# Altium PCB spd150.PcbDoc (part 14 of 15)
Units mil, origin at the board's own origin, x right, y up, seen from the top; angles counter-clockwise.
Board outline 8557 x 5807 mil, 10 copper layers (TOP, LYR2-PLN, LYR3-SIG, LYR4-SIG, LYR5-PLN, LYR6-PLN, LYR7-SIG, LYR8-SIG, LYR9-PLN, BOTTOM), stack 84 mil thick; 1065 components, 972 nets, 4226 pads, 2810 vias.
Unrouted connection lines stored in the file: 16.
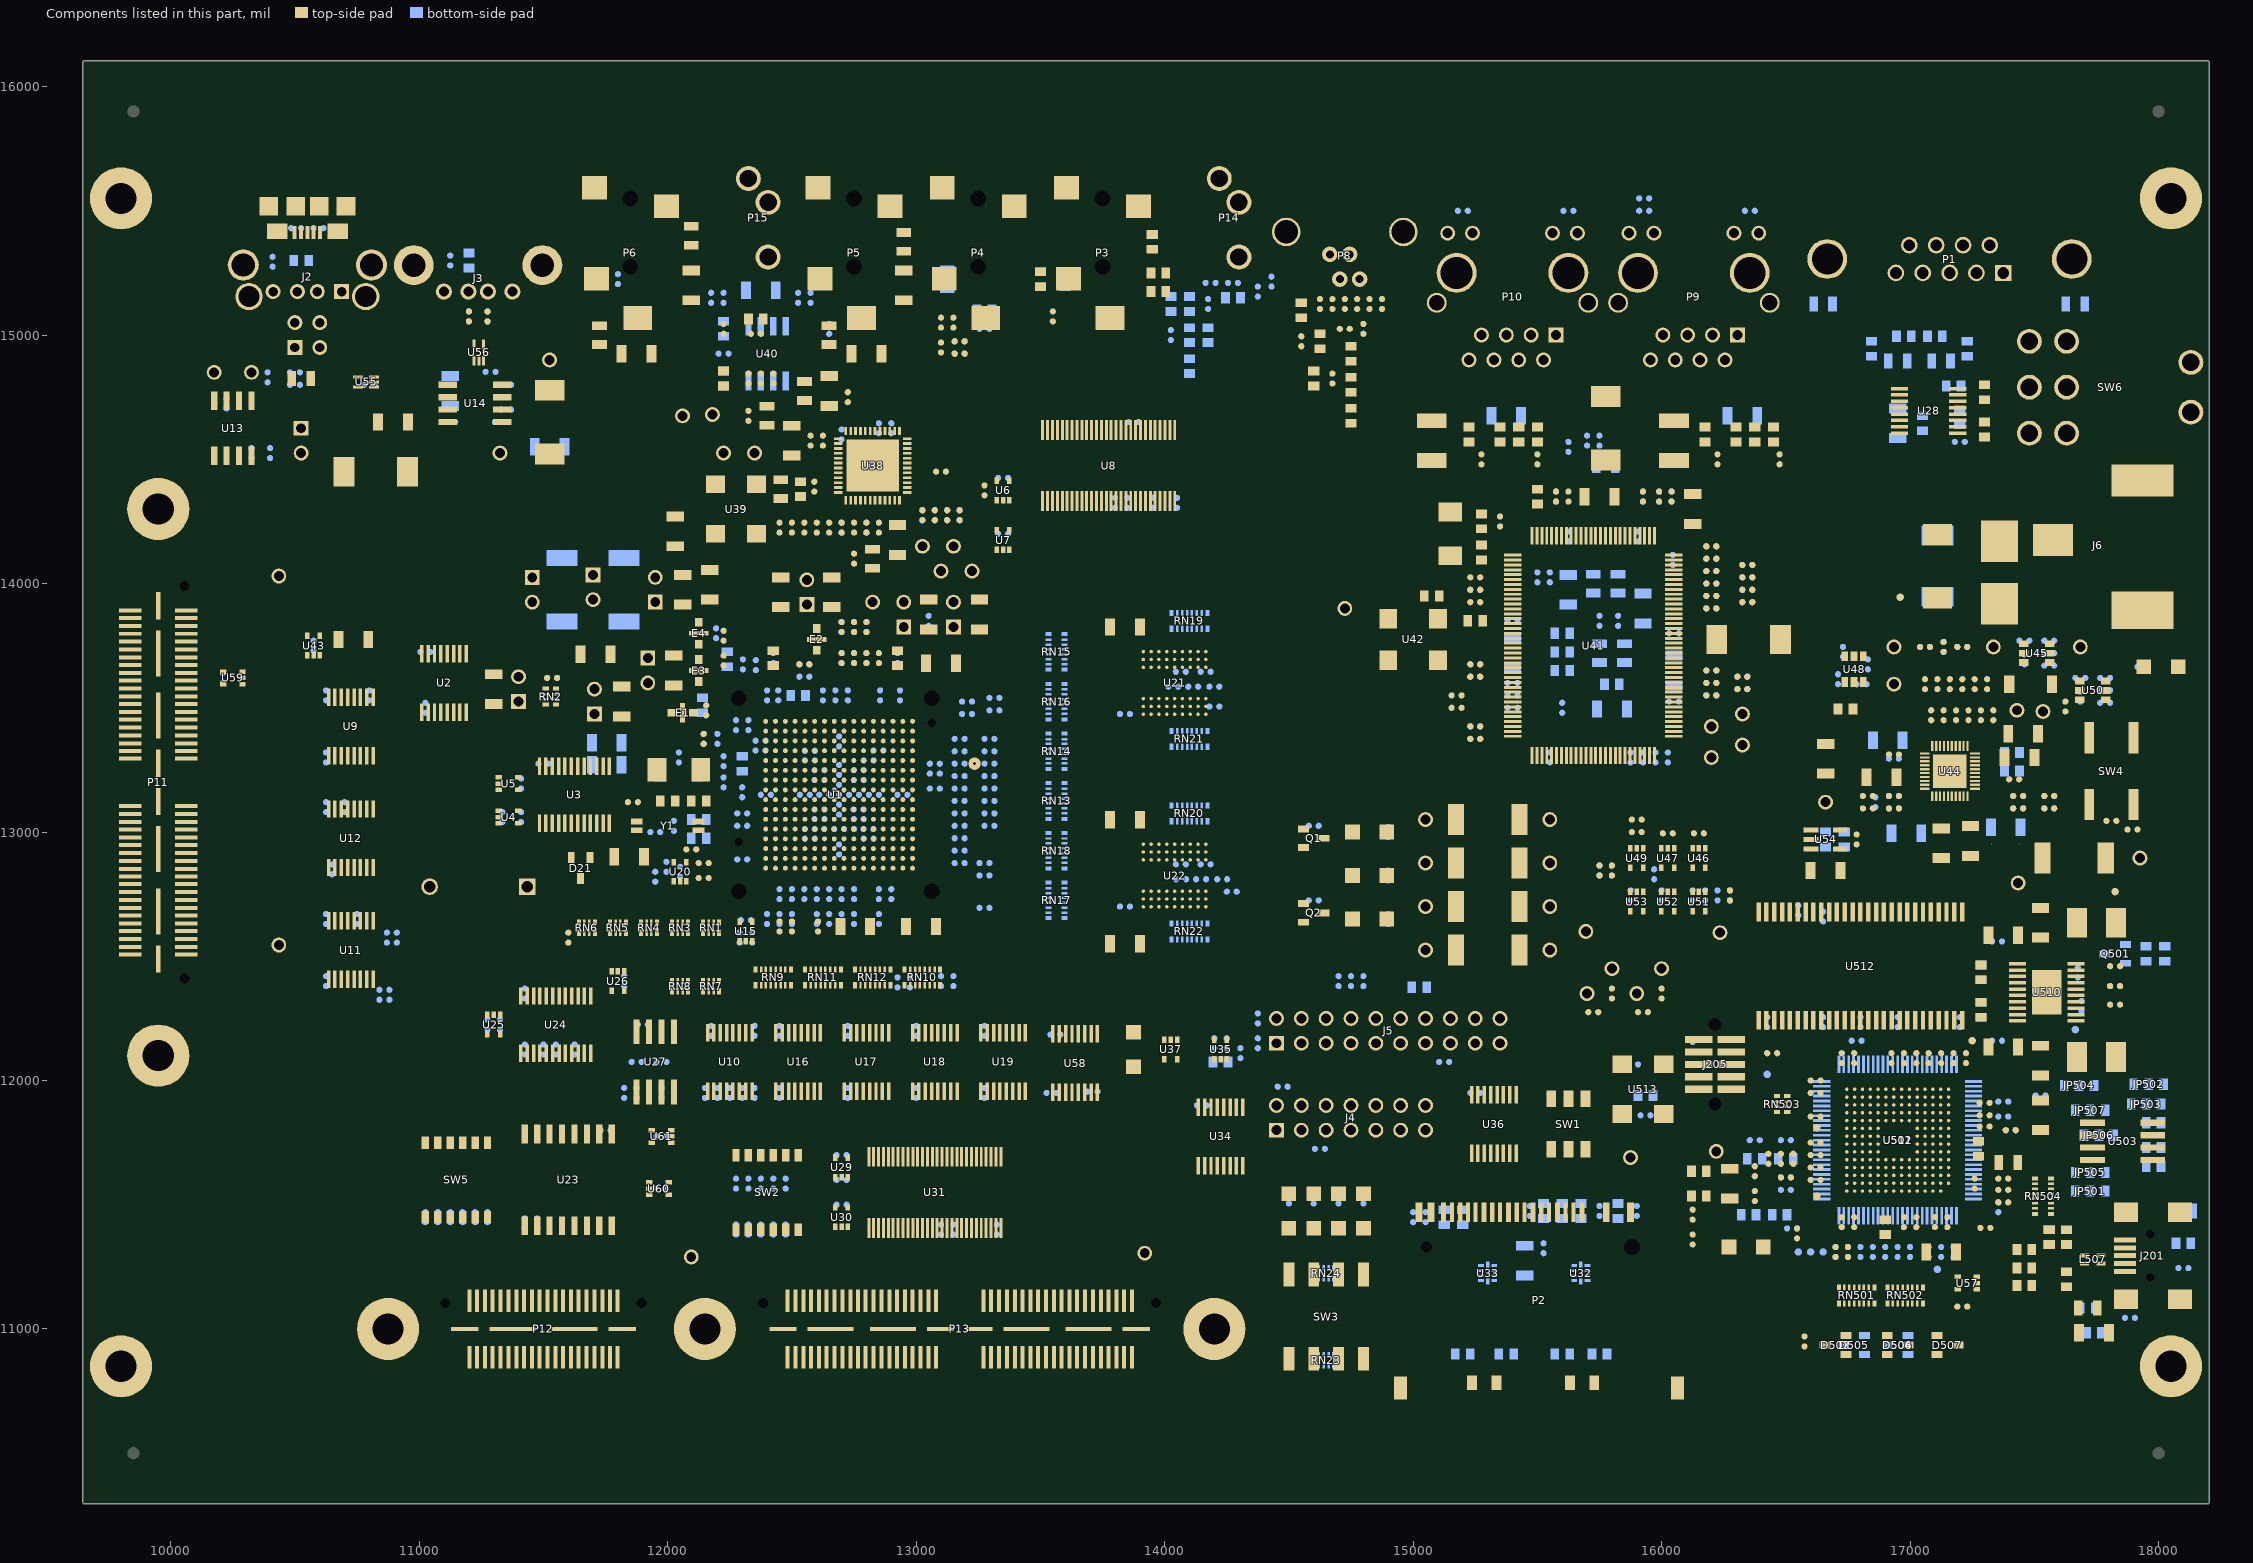
[diagram p22: the components of this part, seen from the top]

## Silkscreen, mask and mechanical layers (free items; w line width, h text height) (continued)
ASSY:
  drawing of 23313 lines, arcs and shapes, not listed
  text "P5" at 8362.5,17340.9 h50 r90
  text "P6" at 7012.5,17325.9 h50 r90
  text "P8" at 11497.5,17310.9 h50 r90
  text "P4" at 9112.5,17295.9 h50 r90
  text "P3" at 9862.5,17295.9 h50 r90
  text "MAC ADDRESS" at 19105,17265.9 h75
  text "J3" at 6315,17235.9 h75 r90
  text "P15" at 7215,17228.4 h50 r90
  text "P14" at 10620,17228.4 h50 r90
  text "R233" at 22097.5,17205.9 h50
  text "R240" at 22510,17198.4 h50
  text "USB1" at 5400,17175.9 h50 r90
  text "USB0" at 4372.5,17153.4 h50 r90
  text "IN" at 9292.5,17145.9 h50 r90
  text "R193" at 27985,17130.9 h50 r90
  text "00-0E-99-" at 19300,17123.4 h75
  text "R235" at 21475,17123.4 h50
  text "R234" at 22097.5,17123.4 h50
  text "L14" at 7140,17115.9 h50 r90
  text "R239" at 22832.5,17115.9 h50
  text "R59" at 29920,17085.9 h50
  text "R58" at 30115,17085.9 h50
  text "OUT" at 6435,17070.9 h50 r90
  text "IN" at 8557.5,17063.4 h50 r90
  text "UART" at 15735,17063.4 h75 r90
  text "R186" at 26635,17025.9 h50 r90
  text "C270" at 30355,16965.9 h50 r90
  text "R392" at 29162.5,16958.4 h50 r90
  text "C271" at 29275,16958.4 h50 r90
  text "L12" at 8347.5,16875.9 h50 r90
  text "LINE" at 9292.5,16875.9 h50 r90
  text "MIC" at 8550,16853.4 h50 r90
  text "HP OUT" at 7807.5,16845.9 h50 r90
  text "R182" at 9847.5,16838.4 h50 r90
  text "R183" at 10035,16815.9 h50 r90
  text "LINE" at 6435,16808.4 h50 r90
  text "ENET-P1" at 13740,16808.4 h75 r90
  text "ENET-P2" at 12645,16800.9 h75 r90
  text "J2" at 4125,16785.9 h75
  text "R211" at 24715,16763.4 h50 r90
  text "R217" at 24377.5,16748.4 h50
  text "C183" at 27290,16733.4 h50
  text "R391" at 29972.5,16733.4 h50
  text "C188" at 27085,16703.4 h50 r90
  text "R221" at 27160,16703.4 h50 r90
  text "C174" at 6970,16695.9 h50 r90
  text "C169" at 8425,16695.9 h50 r90
  text "R181" at 9172.5,16658.4 h50 r90
  text "R180" at 25472.5,16650.9 h50 r90
  text "L10" at 26365,16650.9 h50 r90
  text "L2" at 20905,16643.4 h50
  text "C161" at 25787.5,16643.4 h50 r90
  text "R214" at 25007.5,16613.4 h50 r90
  text "C181" at 25082.5,16613.4 h50 r90
  text "C180" at 25157.5,16613.4 h50 r90
  text "C171" at 25960,16598.4 h50 r90
  text "C187" at 27827.5,16583.4 h50 r90
  text "R192" at 28322.5,16583.4 h50 r90
  text "R220" at 27752.5,16575.9 h50 r90
  text "R390" at 24227.5,16560.9 h50 r90
  text "+" at 7185,16523.4 h50 r90
  text "+" at 8362.5,16523.4 h50 r90
  text "C167" at 9847.5,16500.9 h50
  text "SW6" at 15795,16493.4 h50
  text "P1" at 14512.5,16470.9 h50
  text "R212" at 7605,16463.4 h50
  text "L5" at 19375,16448.4 h50
  text "R223" at 5917.5,16440.9 h50
  text "R375" at 5497.5,16433.4 h50
  text "C130" at 20492.5,16433.4 h50 r90
  text "C170" at 8587.5,16425.9 h50 r90
  text "C132" at 20297.5,16425.9 h50 r90
  text "R187" at 26072.5,16425.9 h50
  text "C197" at 11385,16410.9 h50 r90
  text "R231" at 11460,16410.9 h50 r90
  text "C179" at 27647.5,16410.9 h50
  text "R216" at 24325,16403.4 h50 r90
  text "+" at 6945,16373.4 h50 r180
  text "C184" at 7575,16373.4 h50
  text "C168" at 8095,16350.9 h50
  text "R120" at 28900,16343.4 h50 r90
  text "R393" at 29282.5,16343.4 h50 r90
  text "TP4" at 6180,16335.9 h50
  text "C158" at 9397.5,16335.9 h50 r90
  text "C192" at 10447.5,16335.9 h50 r90
  text "R225" at 10522.5,16335.9 h50 r90
  text "C196" at 10597.5,16335.9 h50 r90
  text "R230" at 10672.5,16335.9 h50 r90
  text "R228" at 10747.5,16335.9 h50 r90
  text "C172" at 26230,16335.9 h50
  text "R185" at 26912.5,16335.9 h50 r90
  text "C182" at 24422.5,16320.9 h50 r90
  text "L13" at 6495,16305.9 h50 r90
  text "L11" at 7882.5,16305.9 h50 r90
  text "R215" at 7273.5,16286.4 h50 r90
  text "R184" at 8850,16283.4 h50
  text "R218" at 27670,16283.4 h50
  text "R190" at 26237.5,16260.9 h50
  text "C131" at 20027.5,16253.4 h50 r90
  text "R213" at 24985,16253.4 h50 r90
  text "P10" at 11580,16238.4 h50 r90
  text "C178" at 24520,16238.4 h50 r90
  text "C177" at 24602.5,16238.4 h50 r90
  text "U40" at 27115,16238.4 h50 r90
  text "U56" at 6000,16230.9 h50 r90
  text "+" at 8332.5,16230.9 h50 r180
  text "R232" at 11280,16230.9 h50 r90
  text "R53" at 30362.5,16230.9 h50 r90
  text "P9" at 13717.5,16223.4 h50 r90
  text "C263" at 28847.5,16208.4 h50
  text "U55" at 5190,16200.9 h50
  text "C155" at 7817.5,16200.9 h50
  text "C129" at 20777.5,16200.9 h50 r90
  text "U14" at 5512.5,16155.9 h50
  text "C173" at 6632.5,16155.9 h50
  text "R188" at 8580,16155.9 h50 r90
  text "C15" at 29935,16155.9 h50
  text "R189" at 8625,16125.9 h50
  text "L4" at 20252.5,16125.9 h50
  text "L3" at 20432.5,16125.9 h50
  text "L1" at 4875,16110.9 h50
  text "C189" at 7695,16110.9 h50 r90
  text "R227" at 10687.5,16103.4 h50 r90
  text "C191" at 10762.5,16103.4 h50 r90
  text "TP2" at 4380,16095.9 h50 r90
  text "C185" at 7057.5,16088.4 h50 r90
  text "R219" at 7132.5,16088.4 h50 r90
  text "R222" at 7207.5,16088.4 h50 r90
  text "C195" at 11205,16088.4 h50 r90
  text "C28" at 29095,16088.4 h50 r90
  text "C30" at 28607.5,16073.4 h50
  text "TP1" at 4125,16058.4 h50 r90
  text "R191" at 8625,16043.4 h50
  text "C264" at 29800,16043.4 h50
  text "R625" at 23507.5,16020.9 h50
  text "L7" at 7747.5,16013.4 h50 r90
  text "C194" at 11152.5,16013.4 h50
  text "C226" at 11467.5,16013.4 h50
  text "C135" at 19855,16013.4 h50
  text "TP40" at 7102.5,15998.4 h50
  text "R94" at 23762.5,15998.4 h50
  text "R52" at 30145,15998.4 h50
  text "C230" at 12930,15990.9 h50
  text "R60" at 28810,15990.9 h50
  text "C231" at 21357.5,15983.4 h50
  text "C186" at 27707.5,15983.4 h50 r90
  text "C227" at 22790,15975.9 h50
  text "C134" at 15030,15968.4 h50 r90
  text "TP39" at 6780,15960.9 h50
  text "C29" at 6480,15945.9 h50 r90
  text "+" at 7717.5,15945.9 h50 r270
  text "R629" at 23507.5,15945.9 h50
  text "C157" at 8137.5,15938.4 h50 r90
  text "J1" at 4710,15930.9 h50
  text "L9" at 7687.5,15923.4 h50 r90
  text "R98" at 23762.5,15923.4 h50
  text "+" at 21625,15915.9 h50 r180
  text "+" at 23050,15915.9 h50 r180
  text "C154" at 26515,15900.9 h50 r90
  text "C156" at 26590,15900.9 h50 r90
  text "+" at 29185,15900.9 h50 r90
  text "R310" at 12022.5,15893.4 h50 r90
  text "R308" at 12135,15893.4 h50 r90
  text "R304" at 13567.5,15893.4 h50 r90
  text "C176" at 24797.5,15893.4 h50 r90
  text "R311" at 11842.5,15885.9 h50 r90
  text "R307" at 13267.5,15885.9 h50 r90
  text "R306" at 13447.5,15885.9 h50 r90
  text "+" at 5122.5,15878.4 h50
  text "R309" at 12307.5,15878.4 h50 r90
  text "R305" at 13725,15878.4 h50 r90
  text "+" at 7957.5,15870.9 h50 r90
  text "C133" at 19802.5,15863.4 h50
  text "R224" at 30692.5,15863.4 h50 r90
  text "R22" at 25180,15833.4 h50
  text "C190" at 10852.5,15825.9 h50 r90
  text "R226" at 11017.5,15825.9 h50 r90
  text "C165" at 7425,15810.9 h50 r90
  text "R229" at 10942.5,15803.4 h50 r90
  text "C13" at 28577.5,15803.4 h50
  text "C216" at 22150,15780.9 h50 r90
  text "C215" at 22225,15780.9 h50 r90
  text "+" at 28472.5,15780.9 h50
  text "R628" at 23537.5,15773.4 h50
  text "R97" at 23807.5,15773.4 h50
  text "R61" at 28877.5,15773.4 h50
  text "U38" at 8527.5,15765.9 h50 r90
  text "R62" at 29132.5,15765.9 h50
  text "C214" at 12840,15758.4 h50 r90
  text "U13" at 4140,15750.9 h50 r90
  text "C14" at 5257.5,15750.9 h50
  text "C153" at 26965,15743.4 h50 r90
  text "C193" at 11212.5,15735.9 h50 r90
  text "C127" at 20297.5,15720.9 h50 r90
  text "R627" at 23537.5,15698.4 h50
  text "R96" at 23807.5,15698.4 h50
  text "R201" at 8790,15690.9 h50 r90
  text "R206" at 8865,15690.9 h50 r90
  text "R205" at 8940,15690.9 h50 r90
  text "R204" at 9015,15690.9 h50 r90
  text "C136" at 15037.5,15683.4 h50 r90
  text "+" at 20507.5,15675.9 h50 r90
  text "R295" at 22577.5,15668.4 h50 r90
  text "U28" at 14505,15653.4 h50
  text "C162" at 6857.5,15645.9 h50 r90
  text "C128" at 20540,15645.9 h50 r90
  text "TP8" at 7215,15623.4 h50 r90
  text "TP9" at 10200,15623.4 h50 r90
  text "R622" at 23537.5,15623.4 h50
  text "R91" at 23807.5,15623.4 h50
  text "C82" at 24002.5,15623.4 h50
  text "TP11" at 10305,15615.9 h50 r90
  text "C166" at 8632.5,15608.4 h50 r90
  text "R54" at 30280,15570.9 h50 r90
  text "R56" at 30535,15570.9 h50 r90
  text "C84" at 24002.5,15563.4 h50
  text "TP7" at 7650,15555.9 h50 r90
  text "U8" at 9195,15555.9 h50 r90
  text "R621" at 23537.5,15548.4 h50
  text "R90" at 23807.5,15548.4 h50
  text "TP5" at 5865,15540.9 h50
  text "C164" at 7012.5,15533.4 h50 r90
  text "C163" at 7087.5,15533.4 h50 r90
  text "R326" at 13987.5,15510.9 h50 r90
  text "R329" at 14137.5,15510.9 h50 r90
  text "R328" at 14212.5,15510.9 h50 r90
  text "R327" at 14287.5,15510.9 h50 r90
  text "R338" at 14362.5,15510.9 h50 r90
  text "C6" at 25735,15510.9 h50
  text "C239" at 14062.5,15503.4 h50 r90
  text "C229" at 12187.5,15495.9 h50 r90
  text "R150" at 20155,15495.9 h50 r90
  text "C16" at 4920,15488.4 h50 r90
  text "R298" at 12375,15488.4 h50 r90
  text "R299" at 12450,15488.4 h50 r90
  text "C220" at 12520,15488.4 h50
  text "C228" at 13402.5,15488.4 h50 r90
  text "R272" at 21280,15488.4 h50
  text "L21" at 22210,15488.4 h50
  text "C232" at 11850,15480.9 h50 r90
  text "C225" at 13777.5,15480.9 h50 r90
  text "R623" at 23537.5,15473.4 h50
  text "R92" at 23807.5,15473.4 h50
  text "C63" at 24002.5,15473.4 h50
  text "R198" at 26072.5,15458.4 h50 r90
  text "R199" at 26147.5,15458.4 h50 r90
  text "R200" at 26230,15458.4 h50 r90
  text "R207" at 26312.5,15458.4 h50 r90
  text "R365" at 14820,15450.9 h50
  text "R360" at 15157.5,15450.9 h50
  text "J6" at 15517.5,15413.4 h50
  text "R258" at 21280,15413.4 h50
  text "R626" at 23537.5,15398.4 h50
  text "R95" at 23807.5,15398.4 h50
  text "C200" at 11970,15383.4 h50 r90
  text "R273" at 12045,15383.4 h50 r90
  text "TP12" at 10365,15375.9 h50 r90
  text "TP10" at 10245,15368.4 h50 r90
  text "R361" at 15127.5,15368.4 h50 r90
  text "R294" at 22645,15353.4 h50 r90
  text "+" at 8355,15345.9 h50 r270
  text "+" at 12442.5,15338.4 h50
  text "R260" at 21280,15338.4 h50
  text "R23" at 24812.5,15330.9 h50 r90
  text "C8" at 25330,15330.9 h50 r90
  text "C7" at 25405,15330.9 h50 r90
  text "BELOW" at 5407.5,15323.4 h50
  text "C221" at 13457.5,15323.4 h50 r90
  text "R630" at 23537.5,15323.4 h50
  text "R99" at 23807.5,15323.4 h50
  text "U6" at 8992.5,15308.4 h50
  text "R21" at 25090,15293.4 h50 r90
  text "C259" at 14572.5,15278.4 h50 r90
  text "R325" at 14032.5,15263.4 h50 r90
  text "C269" at 14115,15263.4 h50 r90
  text "C268" at 14190,15263.4 h50 r90
  text "C267" at 14265,15263.4 h50 r90
  text "R342" at 14332.5,15263.4 h50 r90
  text "R330" at 14407.5,15263.4 h50 r90
  text "R244" at 21280,15263.4 h50
  text "R296" at 21640,15263.4 h50 r90
  text "R297" at 21715,15263.4 h50 r90
  text "R257" at 21812.5,15263.4 h50 r90
  text "R266" at 12157.5,15255.9 h50 r90
  text "R366" at 19907.5,15248.4 h50 r90
  text "R624" at 23537.5,15248.4 h50
  text "R93" at 23807.5,15248.4 h50
  text "R20" at 8872.5,15240.9 h50 r90
  text "U38" at 5467.5,15233.4 h50
  text "C5" at 25840,15233.4 h50
  text "R274" at 13305,15225.9 h50 r90
  text "R301" at 13380,15225.9 h50 r90
  text "R300" at 13455,15225.9 h50 r90
  text "C103" at 7067.5,15210.9 h50 r90
  text "R208" at 26822.5,15195.9 h50 r90
  text "R202" at 26965,15195.9 h50 r90
  text "C100" at 6407.5,15188.4 h50 r90
  text "R262" at 21280,15188.4 h50
  text "R4" at 26507.5,15180.9 h50 r90
  text "R16" at 26582.5,15180.9 h50 r90
  text "R17" at 26657.5,15180.9 h50 r90
  text "R76" at 23815,15165.9 h50
  text "L8" at 5010,15158.4 h50 r90
  text "C160" at 5092.5,15158.4 h50 r90
  text "C159" at 5182.5,15158.4 h50 r90
  text "R64" at 6180,15158.4 h50 r90
  text "C72" at 6247.5,15158.4 h50 r90
  text "R57" at 6585,15158.4 h50 r90
  text "+" at 13170,15158.4 h50 r90
  text "C224" at 22525,15158.4 h50
  text "Y3" at 11572.5,15143.4 h50 r90
  text "R116" at 28592.5,15135.9 h50 r90
  text "+" at 6937.5,15120.9 h50 r90
  text "R288" at 13635,15120.9 h50
  text "R115" at 28202.5,15120.9 h50 r90
  text "R249" at 21280,15113.4 h50
  text "R289" at 11190,15105.9 h50
  text "R86" at 23815,15090.9 h50
  text "PTP8" at 6570,15075.9 h50 r90
  text "U7" at 9150,15053.4 h50 r90
  text "GND" at 4650,15045.9 h50 r90
  text "R275" at 13635,15045.9 h50
  text "+" at 22480,15045.9 h50 r270
  text "U39" at 7312.5,15038.4 h50
  text "R85" at 23612.5,15038.4 h50
  text "R255" at 11190,15030.9 h50
  text "C223" at 21932.5,15030.9 h50 r90
  text "C222" at 22037.5,15023.4 h50 r90
  text "R82" at 23815,15015.9 h50
  text "R276" at 13897.5,15008.4 h50
  text "C150" at 5620,15000.9 h50 r90
  text "L22" at 22255,15000.9 h50
  text "R259" at 21062.5,14985.9 h50
  text "L23" at 22150,14978.4 h50 r90
  text "R277" at 13635,14970.9 h50
  text "D1" at 20522.5,14970.9 h50 r90
  text "R81" at 23612.5,14963.4 h50
  text "R250" at 11190,14955.9 h50
  text "R10" at 26507.5,14948.4 h50 r90
  text "R7" at 26582.5,14948.4 h50 r90
  text "R14" at 26657.5,14948.4 h50 r90
  text "C199" at 11992.5,14933.4 h50 r90
  text "R278" at 13897.5,14933.4 h50
  text "F1" at 15247.5,14910.9 h50 r90
  text "R261" at 21062.5,14910.9 h50
  text "R251" at 13635,14895.9 h50
  text "5V" at 15277.5,14895.9 h75
  text "C175" at 5017.5,14888.4 h50 r90
  text "R210" at 5092.5,14888.4 h50 r90
  text "R209" at 5160,14888.4 h50 r90
  text "R194" at 5235,14888.4 h50 r90
  text "R195" at 5310,14888.4 h50 r90
  text "R196" at 5385,14888.4 h50 r90
  text "R197" at 5460,14888.4 h50 r90
  text "R203" at 5535,14888.4 h50 r90
  text "C152" at 5610,14888.4 h50 r90
  text "1" at 3615,14873.4 h50
  text "TP6" at 8130,14865.9 h50
  text "R252" at 13897.5,14858.4 h50
  text "TP41" at 4530,14843.4 h50 r90
  text "R248" at 23170,14843.4 h50
  text "R245" at 21062.5,14835.9 h50
  text "R237" at 11227.5,14828.4 h50
  text "R279" at 13635,14820.9 h50
  text "C219" at 22772.5,14813.4 h50 r90
  text "C218" at 22847.5,14813.4 h50 r90
  text "+" at 7335,14798.4 h50 r90
  text "R287" at 13897.5,14783.4 h50
  text "IN" at 15277.5,14783.4 h75
  text "PTP1" at 6420,14768.4 h50 r90
  text "TP33" at 14370,14760.9 h50 r90
  text "R271" at 21062.5,14760.9 h50
  text "C212" at 21890,14760.9 h50 r90
  text "R256" at 13635,14745.9 h50
  text "L6" at 5542.5,14738.4 h50 r90
  text "PTP6" at 6060,14738.4 h50 r90
  text "C217" at 22580,14730.9 h50
  text "R118" at 9025,14723.4 h50 r90
  text "C101" at 9167.5,14723.4 h50 r90
  text "PTP10" at 6795,14715.9 h50 r90
  text "C114" at 9670,14715.9 h50
  text "+" at 7680,14670.9 h50 r90
  text "C207" at 22337.5,14663.4 h50
  text "+" at 22750,14648.4 h50 r270
  text "C204" at 22960,14648.4 h50
  text "C151" at 5460,14640.9 h50 r90
  text "C104" at 5050,14633.4 h50
  text "C37" at 27670,14633.4 h50
  text "TP46" at 10972.5,14625.9 h50 r90
  text "C203" at 13792.5,14625.9 h50
  text "C210" at 21670,14625.9 h50
  text "C198" at 23470,14625.9 h50
  text "R117" at 26312.5,14625.9 h50 r90
  text "TP32" at 15390,14618.4 h50
  text "PTP5" at 9037.5,14610.9 h50 r90
  text "PTP4" at 9180,14610.9 h50 r90
  text "TP31" at 14182.5,14603.4 h50
  text "R364" at 20200,14603.4 h50
  text "C213" at 22150,14595.9 h50 r90
  text "R63" at 6990,14588.4 h50 r90
  text "TP30" at 14865,14588.4 h50
  text "U45" at 15285,14588.4 h50 r90
  text "R346" at 19682.5,14588.4 h50 r90
  text "R347" at 19532.5,14580.9 h50 r90
  text "C22" at 27047.5,14580.9 h50
  text "+" at 8955,14573.4 h50 r90
  text "R238" at 11737.5,14565.9 h50
  text "R246" at 21355,14565.9 h50
  text "+" at 22022.5,14565.9 h50 r90
  text "A1" at 10237.5,14558.4 h50
  text "RN19" at 24625,14558.4 h50 r90
  text "C69" at 6480,14550.9 h50
  text "PTP9" at 6750,14543.4 h50
  text "E4" at 7275,14543.4 h50 r90
  text "+" at 6367.5,14528.4 h50
  text "R351" at 20912.5,14528.4 h50 r90
  text "C35" at 7395,14520.9 h50 r90
  text "C27" at 7582.5,14505.9 h50 r90
  text "C57" at 27508,14505.9 h50 r90
  text "C58" at 27430.3,14501 h50 r90
  text "C55" at 26612.5,14498.4 h50 r90
  text "C26" at 27340,14498.4 h50 r90
  text "R264" at 21355,14490.9 h50
  text "U42" at 11220,14483.4 h50 r90
  text "R362" at 20050,14483.4 h50 r90
  text "C71" at 8550,14475.9 h50
  text "GND" at 11085,14475.9 h50 r90
  text "DS7" at 15967.5,14475.9 h50
  text "R349" at 20710,14475.9 h50 r90
  text "C202" at 22872.5,14475.9 h50 r90
  text "C233" at 30160,14475.9 h50 r90
  text "C23" at 26957.5,14453.4 h50
  text "C1" at 29215,14453.4 h50
  text "PTP3" at 5962.5,14430.9 h50
  text "E2" at 7822.5,14430.9 h50 r90
  text "U43" at 4927.5,14423.4 h50
  text "U59" at 4425,14415.9 h50
  text "R247" at 21355,14415.9 h50
  text "C38" at 27610,14415.9 h50
  text "R368" at 18745,14408.4 h50
  text "U48" at 14032.5,14400.9 h50 r90
  text "R348" at 19255,14400.9 h50
  text "R359" at 20275,14400.9 h50
  text "RN15" at 25375,14385.9 h50 r90
  text "R269" at 23162.5,14378.4 h50
  text "E3" at 7282.2,14372.4 h50 r90
  text "L20" at 22097.5,14370.9 h50 r90
  text "+" at 8452.5,14363.4 h50
  text "TP27" at 14235,14363.4 h50
  text "C201" at 21890,14363.4 h50 r90
  text "L19" at 22247.5,14363.4 h50 r90
  text "U50" at 15712.5,14355.9 h50 r90
  text "R13" at 8902.5,14348.4 h50 r90
  text "R11" at 8970,14348.4 h50 r90
  text "R5" at 9052.5,14348.4 h50 r90
  text "R253" at 13575,14340.9 h50
  text "C111" at 24400,14340.9 h50
  text "C24" at 27250,14340.9 h50 r90
  text "C118" at 24887.5,14333.4 h50
  text "C21" at 7740,14318.4 h50
  text "C248" at 19495,14318.4 h50
  text "C36" at 7395,14310.9 h50 r90
  text "L15" at 15375,14310.9 h50 r90
  text "R355" at 18887.5,14303.4 h50
  text "R263" at 21100,14303.4 h50
  text "R270" at 23162.5,14303.4 h50
  text "R285" at 11347.5,14295.9 h50
  text "R280" at 13807.5,14295.9 h50
  text "C78" at 26410,14288.4 h50
  text "R394" at 27872.5,14273.4 h50 r90
  text "R395" at 27947.5,14273.4 h50 r90
  text "R119" at 5770,14265.9 h50 r90
  text "R281" at 13575,14265.9 h50
  text "R353" at 19450,14265.9 h50
  text "C121" at 23755,14243.4 h50
  text "C110" at 24010,14243.4 h50
  text "C116" at 24272.5,14243.4 h50
  text "C52" at 9300,14228.4 h50 r90
  text "U21" at 10567.5,14228.4 h50 r90
  text "R356" at 18887.5,14228.4 h50
  text "R265" at 21100,14228.4 h50
  text "R2" at 28562.5,14228.4 h50
  text "R286" at 11347.5,14220.9 h50
  text "R282" at 13807.5,14220.9 h50
  text "R6" at 8962.5,14213.4 h50 r90
  text "R9" at 9045,14213.4 h50 r90
  text "R8" at 9120,14213.4 h50 r90
  text "C246" at 19840,14213.4 h50 r90
  text "+" at 21790,14213.4 h50 r90
  text "C252" at 21002.5,14198.4 h50 r90
  text "+" at 22067.5,14198.4 h50
  text "C31" at 7046.1,14193.6 h50
  text "R254" at 13575,14190.9 h50
  text "C250" at 20605,14183.4 h50
  text "R44" at 29822.5,14175.9 h50 r90
  text "C9" at 30077.5,14175.9 h50 r90
  text "R12" at 8895,14160.9 h50 r90
  text "A1" at 7312.5,14153.4 h75 r90
  text "C79" at 26725,14153.4 h50 r90
  text "C99" at 26800,14153.4 h50 r90
  text "R333" at 11355,14145.9 h50
  text "C254" at 18880,14145.9 h50
  text "C266" at 30557.5,14130.9 h50 r90
  text "TP15" at 13140,14123.4 h50
  text "RN2" at 6405,14115.9 h50 r90
  text "R29" at 27010,14115.9 h50
  text "RN16" at 25367.5,14108.4 h50 r90
  text "TP28" at 15930,14093.4 h50 r90
  text "TP29" at 16020,14093.4 h50 r90
  text "U2" at 5452.5,14085.9 h50 r90
  text "E1" at 6855,14085.9 h50
  text "C206" at 21805,14085.9 h50
  text "C34" at 27662.5,14085.9 h50 r90
  text "R18" at 29485,14085.9 h50 r90
  text "TP16" at 13537.5,14078.4 h50
  text "C32" at 28052.5,14078.4 h50 r90
  text "C33" at 28127.5,14078.4 h50 r90
  text "R389" at 11362.5,14070.9 h50
  text "C117" at 24452.5,14063.4 h50
  text "C209" at 22697.5,14055.9 h50
  text "R350" at 13785,14048.4 h50
  text "C19" at 28202.5,14025.9 h50 r90
  text "C18" at 28277.5,14025.9 h50 r90
  text "R3" at 6180,14018.4 h50
  text "C236" at 20480,14018.4 h50
  text "C243" at 19712.5,14010.9 h50
  text "R290" at 22157.5,14010.9 h50
  text "C120" at 25052.5,14010.9 h50
  text "R30" at 26897.5,14010.9 h50 r90
  text "R267" at 23170,14003.4 h50
  text "A16" at 8723.4,13986.8 h50 r90
  text "R292" at 22487.5,13980.9 h50 r90
  text "R291" at 22697.5,13980.9 h50
  text "U9" at 4875,13973.4 h50 r90

## Text inside footprints (layer, text, board x,y; h text height)
C112: PIN_NUMBER "2" at 14282.1,12760 h20 r180; PIN_NUMBER "1" at 14242.1,12760 h20 r180; ASSEMBLY_BOTTOM "USERPART#" at 14270.1,12910 h25 r180; ASSEMBLY_BOTTOM "TOLERANCE" at 14270.1,12860 h25 r180; ASSEMBLY_BOTTOM "0.1uF" at 14270.1,12760 h25 r180; SYMBOL_PART_DIM "0" at 14178.1,12773 h25 r180; SYMBOL_PART_DIM "0" at 14262.1,12844 h25 r180; SYMBOL_PART_DIM "C402-35X32" at 14147.1,12898 h25 r180; SYMBOL_PART_DIM "PAD 35X32 OV" at 14147.1,12948 h25 r180
C113: PIN_NUMBER "2" at 14037.1,12870 h20; PIN_NUMBER "1" at 14077.1,12870 h20; ASSEMBLY_BOTTOM "USERPART#" at 14065.1,12720 h25; ASSEMBLY_BOTTOM "TOLERANCE" at 14065.1,12770 h25; ASSEMBLY_BOTTOM "0.1uF" at 14065.1,12870 h25; SYMBOL_PART_DIM "0" at 14157.1,12857 h25; SYMBOL_PART_DIM "0" at 14073.1,12786 h25; SYMBOL_PART_DIM "C402-35X32" at 14188.1,12732 h25; SYMBOL_PART_DIM "PAD 35X32 OV" at 14188.1,12682 h25
C114: PIN_NUMBER "2" at 13884.1,13825 h40; PIN_NUMBER "1" at 13764.1,13825 h40; ASSEMBLY_TOP "X" at 13880.1,13810 h40; ASSEMBLY_TOP "X" at 13840.1,13810 h40; ASSEMBLY_TOP "22 uF" at 13805.1,13810 h40; SYMB_DIM "0" at 13665.1,13800 h40; SYMB_DIM "0" at 13815.1,13675 h40; SYMB_DIM "C1206-40X70" at 13764.1,14030 h40; SYMB_DIM "SP  40X70OV" at 13774.1,13450 h40; SYMB_DIM "SM  48X78" at 13756.1,13525 h40; SYMB_DIM "PAD 40X70OV" at 13774.1,13600 h40
C115: PIN_NUMBER "2" at 13884.1,12550 h40; PIN_NUMBER "1" at 13764.1,12550 h40; ASSEMBLY_TOP "X" at 13880.1,12535 h40; ASSEMBLY_TOP "X" at 13840.1,12535 h40; ASSEMBLY_TOP "22 uF" at 13805.1,12535 h40; SYMB_DIM "0" at 13665.1,12525 h40; SYMB_DIM "0" at 13815.1,12400 h40; SYMB_DIM "C1206-40X70" at 13764.1,12755 h40; SYMB_DIM "SP  40X70OV" at 13774.1,12175 h40; SYMB_DIM "SM  48X78" at 13756.1,12250 h40; SYMB_DIM "PAD 40X70OV" at 13774.1,12325 h40
C116: PIN_NUMBER "2" at 14047.1,13585 h20 r180; PIN_NUMBER "1" at 14007.1,13585 h20 r180; ASSEMBLY_BOTTOM "USERPART#" at 14035.1,13735 h25 r180; ASSEMBLY_BOTTOM "TOLERANCE" at 14035.1,13685 h25 r180; ASSEMBLY_BOTTOM "0.1uF" at 14035.1,13585 h25 r180; SYMBOL_PART_DIM "0" at 13943.1,13598 h25 r180; SYMBOL_PART_DIM "0" at 14027.1,13669 h25 r180; SYMBOL_PART_DIM "C402-35X32" at 13912.1,13723 h25 r180; SYMBOL_PART_DIM "PAD 35X32 OV" at 13912.1,13773 h25 r180
C117: PIN_NUMBER "2" at 14212.1,13505 h20 r180; PIN_NUMBER "1" at 14172.1,13505 h20 r180; ASSEMBLY_BOTTOM "USERPART#" at 14200.1,13655 h25 r180; ASSEMBLY_BOTTOM "TOLERANCE" at 14200.1,13605 h25 r180; ASSEMBLY_BOTTOM "0.1uF" at 14200.1,13505 h25 r180; SYMBOL_PART_DIM "0" at 14108.1,13518 h25 r180; SYMBOL_PART_DIM "0" at 14192.1,13589 h25 r180; SYMBOL_PART_DIM "C402-35X32" at 14077.1,13643 h25 r180; SYMBOL_PART_DIM "PAD 35X32 OV" at 14077.1,13693 h25 r180
C118: PIN_NUMBER "2" at 14037.1,13645 h20; PIN_NUMBER "1" at 14077.1,13645 h20; ASSEMBLY_BOTTOM "USERPART#" at 14065.1,13495 h25; ASSEMBLY_BOTTOM "TOLERANCE" at 14065.1,13545 h25; ASSEMBLY_BOTTOM "0.1uF" at 14065.1,13645 h25; SYMBOL_PART_DIM "0" at 14157.1,13632 h25; SYMBOL_PART_DIM "0" at 14073.1,13561 h25; SYMBOL_PART_DIM "C402-35X32" at 14188.1,13507 h25; SYMBOL_PART_DIM "PAD 35X32 OV" at 14188.1,13457 h25
C119: PIN_NUMBER "2" at 14078.6,12810 h20 r180; PIN_NUMBER "1" at 14038.6,12810 h20 r180; ASSEMBLY_BOTTOM "USERPART#" at 14066.6,12960 h25 r180; ASSEMBLY_BOTTOM "TOLERANCE" at 14066.6,12910 h25 r180; ASSEMBLY_BOTTOM "0.1uF" at 14066.6,12810 h25 r180; SYMBOL_PART_DIM "0" at 13974.6,12823 h25 r180; SYMBOL_PART_DIM "0" at 14058.6,12894 h25 r180; SYMBOL_PART_DIM "C402-35X32" at 13943.6,12948 h25 r180; SYMBOL_PART_DIM "PAD 35X32 OV" at 13943.6,12998 h25 r180
C120: PIN_NUMBER "2" at 13812.1,13475 h20; PIN_NUMBER "1" at 13852.1,13475 h20; ASSEMBLY_BOTTOM "USERPART#" at 13840.1,13325 h25; ASSEMBLY_BOTTOM "TOLERANCE" at 13840.1,13375 h25; ASSEMBLY_BOTTOM "0.1uF" at 13840.1,13475 h25; SYMBOL_PART_DIM "0" at 13932.1,13462 h25; SYMBOL_PART_DIM "0" at 13848.1,13391 h25; SYMBOL_PART_DIM "C402-35X32" at 13963.1,13337 h25; SYMBOL_PART_DIM "PAD 35X32 OV" at 13963.1,13287 h25
C121: PIN_NUMBER "2" at 14212.1,13585 h20 r180; PIN_NUMBER "1" at 14172.1,13585 h20 r180; ASSEMBLY_BOTTOM "USERPART#" at 14200.1,13735 h25 r180; ASSEMBLY_BOTTOM "TOLERANCE" at 14200.1,13685 h25 r180; ASSEMBLY_BOTTOM "0.1uF" at 14200.1,13585 h25 r180; SYMBOL_PART_DIM "0" at 14108.1,13598 h25 r180; SYMBOL_PART_DIM "0" at 14192.1,13669 h25 r180; SYMBOL_PART_DIM "C402-35X32" at 14077.1,13723 h25 r180; SYMBOL_PART_DIM "PAD 35X32 OV" at 14077.1,13773 h25 r180
C122: PIN_NUMBER "2" at 11467,11405 h20 r90; PIN_NUMBER "1" at 11467,11445 h20 r90; ASSEMBLY_BOTTOM "USERPART#" at 11625,11425 h25 r90; ASSEMBLY_BOTTOM "TOLERANCE" at 11575,11425 h25 r90; ASSEMBLY_BOTTOM "0.1uF" at 11475,11425 h25 r90; SYMBOL_PART_DIM "0" at 11488,11517 h25 r90; SYMBOL_PART_DIM "0" at 11559,11433 h25 r90; SYMBOL_PART_DIM "C402-35X32" at 11613,11548 h25 r90; SYMBOL_PART_DIM "PAD 35X32 OV" at 11663,11548 h25 r90
C123: PIN_NUMBER "2" at 11417,12330 h20 r90; PIN_NUMBER "1" at 11417,12370 h20 r90; ASSEMBLY_BOTTOM "USERPART#" at 11575,12350 h25 r90; ASSEMBLY_BOTTOM "TOLERANCE" at 11525,12350 h25 r90; ASSEMBLY_BOTTOM "0.1uF" at 11425,12350 h25 r90; SYMBOL_PART_DIM "0" at 11438,12442 h25 r90; SYMBOL_PART_DIM "0" at 11509,12358 h25 r90; SYMBOL_PART_DIM "C402-35X32" at 11563,12473 h25 r90; SYMBOL_PART_DIM "PAD 35X32 OV" at 11613,12473 h25 r90
C124: PIN_NUMBER "2" at 11317,12245 h20 r270; PIN_NUMBER "1" at 11317,12205 h20 r270; ASSEMBLY_BOTTOM "USERPART#" at 11175,12225 h25 r270; ASSEMBLY_BOTTOM "TOLERANCE" at 11225,12225 h25 r270; SYMBOL_PART_DIM "0" at 11312,12133 h25 r270; SYMBOL_PART_DIM "0" at 11241,12217 h25 r270; SYMBOL_PART_DIM "C402-35X32" at 11187,12102 h25 r270; SYMBOL_PART_DIM "PAD 35X32 OV" at 11137,12102 h25 r270
C125: PIN_NUMBER "2" at 11817,12420 h20 r270; PIN_NUMBER "1" at 11817,12380 h20 r270; ASSEMBLY_BOTTOM "USERPART#" at 11675,12400 h25 r270; ASSEMBLY_BOTTOM "TOLERANCE" at 11725,12400 h25 r270; SYMBOL_PART_DIM "0" at 11812,12308 h25 r270; SYMBOL_PART_DIM "0" at 11741,12392 h25 r270; SYMBOL_PART_DIM "C402-35X32" at 11687,12277 h25 r270; SYMBOL_PART_DIM "PAD 35X32 OV" at 11637,12277 h25 r270
C126: PIN_NUMBER "1" at 11912,12225 h20; PIN_NUMBER "2" at 11872,12225 h20; ASSEMBLY_BOTTOM "USERPART#" at 11900,12075 h25; ASSEMBLY_BOTTOM "TOLERANCE" at 11900,12125 h25; SYMBOL_PART_DIM "0" at 11992,12212 h25; SYMBOL_PART_DIM "0" at 11908,12141 h25; SYMBOL_PART_DIM "C402-35X32" at 12023,12087 h25; SYMBOL_PART_DIM "PAD 35X32 OV" at 12023,12037 h25
C127: PIN_NUMBER "2" at 17024,14680 h20 r270; PIN_NUMBER "1" at 17024,14620 h20 r270; SYMB_DIM "0" at 17030,14505 h40 r270; SYMB_DIM "0" at 16915,14625 h40 r270; SYMB_DIM "C603-35X45" at 17200,14495 h40 r270; SYMB_DIM "SP  35X45OV" at 16705,14485 h40 r270; SYMB_DIM "SM  43X53OV" at 16775,14485 h40 r270; SYMB_DIM "PAD 35X45OV" at 16850,14485 h40 r270; ASSEMBLY_BOTTOM "X" at 17040,14695 h40 r270; ASSEMBLY_BOTTOM "X" at 17035,14660 h40 r270; ASSEMBLY_BOTTOM "1uF" at 17035,14625 h40 r270
C128: PIN_NUMBER "2" at 16934,14705 h40 r270; PIN_NUMBER "1" at 16934,14585 h40 r270; SYMB_DIM "0" at 16925,14470 h40 r270; SYMB_DIM "0" at 16800,14620 h40 r270; SYMB_DIM "C1206-40X70" at 16979,14745 h40 r270; SYMB_DIM "SP  40X70OV" at 16399,14755 h40 r270; SYMB_DIM "SM  48X78" at 16506,14705 h40 r270; SYMB_DIM "PAD 40X70OV" at 16549,14755 h40 r270; ASSEMBLY_BOTTOM "+" at 16935,14530 h40 r270; ASSEMBLY_BOTTOM "X" at 16935,14685 h40 r270; ASSEMBLY_BOTTOM "X" at 16935,14645 h40 r270; ASSEMBLY_BOTTOM "10uF" at 16935,14610 h40 r270; Bottom Overlay "+" at 16945,14520 h35 r270
C129: PIN_NUMBER "1" at 16819,14920 h20 r270; PIN_NUMBER "2" at 16819,14980 h20 r270; SYMB_DIM "0" at 16825,14805 h40 r270; SYMB_DIM "0" at 16710,14925 h40 r270; SYMB_DIM "C603-35X45" at 16995,14795 h40 r270; SYMB_DIM "SP  35X45OV" at 16500,14785 h40 r270; SYMB_DIM "SM  43X53OV" at 16570,14785 h40 r270; SYMB_DIM "PAD 35X45OV" at 16645,14785 h40 r270; ASSEMBLY_BOTTOM "X" at 16835,14995 h40 r270; ASSEMBLY_BOTTOM "X" at 16830,14960 h40 r270; ASSEMBLY_BOTTOM "10pF" at 16830,14925 h40 r270
C130: PIN_NUMBER "1" at 16984,14985 h20; PIN_NUMBER "2" at 16924,14985 h20; SYMB_DIM "0" at 17115,14975 h40; SYMB_DIM "0" at 16995,14860 h40; SYMB_DIM "C603-35X45" at 17125,15145 h40; SYMB_DIM "SP  35X45OV" at 17135,14650 h40; SYMB_DIM "SM  43X53OV" at 17135,14720 h40; SYMB_DIM "PAD 35X45OV" at 17135,14795 h40; ASSEMBLY_BOTTOM "X" at 16925,14985 h40; ASSEMBLY_BOTTOM "X" at 16960,14980 h40; ASSEMBLY_BOTTOM "10pF" at 16995,14980 h40
C131: PIN_NUMBER "1" at 17204,14920 h20 r270; PIN_NUMBER "2" at 17204,14980 h20 r270; SYMB_DIM "0" at 17210,14805 h40 r270; SYMB_DIM "0" at 17095,14925 h40 r270; SYMB_DIM "C603-35X45" at 17380,14795 h40 r270; SYMB_DIM "SP  35X45OV" at 16885,14785 h40 r270; SYMB_DIM "SM  43X53OV" at 16955,14785 h40 r270; SYMB_DIM "PAD 35X45OV" at 17030,14785 h40 r270; ASSEMBLY_BOTTOM "X" at 17220,14995 h40 r270; ASSEMBLY_BOTTOM "X" at 17215,14960 h40 r270; ASSEMBLY_BOTTOM "10pF" at 17215,14925 h40 r270
C132: PIN_NUMBER "1" at 17059,15005 h20 r180; PIN_NUMBER "2" at 17119,15005 h20 r180; SYMB_DIM "0" at 16960,15015 h40 r180; SYMB_DIM "0" at 17080,15130 h40 r180; SYMB_DIM "C603-35X45" at 16950,14845 h40 r180; SYMB_DIM "SP  35X45OV" at 16940,15340 h40 r180; SYMB_DIM "SM  43X53OV" at 16940,15270 h40 r180; SYMB_DIM "PAD 35X45OV" at 16940,15195 h40 r180; ASSEMBLY_BOTTOM "X" at 17150,15005 h40 r180; ASSEMBLY_BOTTOM "X" at 17115,15010 h40 r180; ASSEMBLY_BOTTOM "10pF" at 17080,15010 h40 r180
C133: PIN_NUMBER "2" at 17174,14705 h20 r270; PIN_NUMBER "1" at 17174,14645 h20 r270; SYMB_DIM "0" at 17180,14530 h40 r270; SYMB_DIM "0" at 17065,14650 h40 r270; SYMB_DIM "C603-35X45" at 17350,14520 h40 r270; SYMB_DIM "SP  35X45OV" at 16855,14510 h40 r270; SYMB_DIM "SM  43X53OV" at 16925,14510 h40 r270; SYMB_DIM "PAD 35X45OV" at 17000,14510 h40 r270; ASSEMBLY_BOTTOM "X" at 17190,14720 h40 r270; ASSEMBLY_BOTTOM "X" at 17185,14685 h40 r270; ASSEMBLY_BOTTOM "1uF" at 17185,14650 h40 r270
C134: PIN_NUMBER "2" at 17294,14805 h20 r90; PIN_NUMBER "1" at 17294,14745 h20 r90; ASSEMBLY_TOP "X" at 17310,14820 h40 r90; ASSEMBLY_TOP "X" at 17315,14785 h40 r90; ASSEMBLY_TOP "1uF" at 17315,14750 h40 r90; SYMB_DIM "0" at 17320,14630 h40 r90; SYMB_DIM "0" at 17435,14750 h40 r90; SYMB_DIM "C603-35X45" at 17150,14620 h40 r90; SYMB_DIM "SP  35X45OV" at 17645,14610 h40 r90; SYMB_DIM "SM  43X53OV" at 17575,14610 h40 r90; SYMB_DIM "PAD 35X45OV" at 17500,14610 h40 r90
C135: PIN_NUMBER "2" at 17124,14785 h20; PIN_NUMBER "1" at 17184,14785 h20; SYMB_DIM "0" at 17315,14775 h40; SYMB_DIM "0" at 17195,14660 h40; SYMB_DIM "C603-35X45" at 17325,14945 h40; SYMB_DIM "SP  35X45OV" at 17335,14450 h40; SYMB_DIM "SM  43X53OV" at 17335,14520 h40; SYMB_DIM "PAD 35X45OV" at 17335,14595 h40; ASSEMBLY_BOTTOM "X" at 17125,14785 h40; ASSEMBLY_BOTTOM "X" at 17160,14780 h40; ASSEMBLY_BOTTOM "1uF" at 17195,14780 h40
C136: PIN_NUMBER "2" at 17274,14585 h20 r270; PIN_NUMBER "1" at 17274,14645 h20 r270; ASSEMBLY_TOP "X" at 17290,14570 h40 r270; ASSEMBLY_TOP "X" at 17285,14605 h40 r270; ASSEMBLY_TOP "1uF" at 17285,14640 h40 r270; SYMB_DIM "0" at 17280,14760 h40 r270; SYMB_DIM "0" at 17165,14640 h40 r270; SYMB_DIM "C603-35X45" at 17450,14770 h40 r270; SYMB_DIM "SP  35X45OV" at 16955,14780 h40 r270; SYMB_DIM "SM  43X53OV" at 17025,14780 h40 r270; SYMB_DIM "PAD 35X45OV" at 17100,14780 h40 r270
C137: PIN_NUMBER "2" at 12712,11700 h20 r180; PIN_NUMBER "1" at 12672,11700 h20 r180; ASSEMBLY_BOTTOM "USERPART#" at 12700,11850 h25 r180; ASSEMBLY_BOTTOM "TOLERANCE" at 12700,11800 h25 r180; ASSEMBLY_BOTTOM "0.1uF" at 12700,11700 h25 r180; SYMBOL_PART_DIM "0" at 12608,11713 h25 r180; SYMBOL_PART_DIM "0" at 12692,11784 h25 r180; SYMBOL_PART_DIM "C402-35X32" at 12577,11838 h25 r180; SYMBOL_PART_DIM "PAD 35X32 OV" at 12577,11888 h25 r180
C138: PIN_NUMBER "2" at 12712,11500 h20 r180; PIN_NUMBER "1" at 12672,11500 h20 r180; ASSEMBLY_BOTTOM "USERPART#" at 12700,11650 h25 r180; ASSEMBLY_BOTTOM "TOLERANCE" at 12700,11600 h25 r180; ASSEMBLY_BOTTOM "0.1uF" at 12700,11500 h25 r180; SYMBOL_PART_DIM "0" at 12608,11513 h25 r180; SYMBOL_PART_DIM "0" at 12692,11584 h25 r180; SYMBOL_PART_DIM "C402-35X32" at 12577,11638 h25 r180; SYMBOL_PART_DIM "PAD 35X32 OV" at 12577,11688 h25 r180
C139: PIN_NUMBER "2" at 13092,11420 h20 r270; PIN_NUMBER "1" at 13092,11380 h20 r270; ASSEMBLY_BOTTOM "USERPART#" at 12950,11400 h25 r270; ASSEMBLY_BOTTOM "TOLERANCE" at 13000,11400 h25 r270; ASSEMBLY_BOTTOM "0.1uF" at 13100,11400 h25 r270; SYMBOL_PART_DIM "0" at 13087,11308 h25 r270; SYMBOL_PART_DIM "0" at 13016,11392 h25 r270; SYMBOL_PART_DIM "C402-35X32" at 12962,11277 h25 r270; SYMBOL_PART_DIM "PAD 35X32 OV" at 12912,11277 h25 r270
C140: PIN_NUMBER "2" at 13142,11420 h20 r270; PIN_NUMBER "1" at 13142,11380 h20 r270; ASSEMBLY_BOTTOM "USERPART#" at 13000,11400 h25 r270; ASSEMBLY_BOTTOM "TOLERANCE" at 13050,11400 h25 r270; SYMBOL_PART_DIM "0" at 13137,11308 h25 r270; SYMBOL_PART_DIM "0" at 13066,11392 h25 r270; SYMBOL_PART_DIM "C402-35X32" at 13012,11277 h25 r270; SYMBOL_PART_DIM "PAD 35X32 OV" at 12962,11277 h25 r270
C141: PIN_NUMBER "2" at 15434,11215 h40 r90; PIN_NUMBER "1" at 15434,11335 h40 r90; SYMB_DIM "0" at 15475,11450 h40 r90; SYMB_DIM "0" at 15600,11300 h40 r90; SYMB_DIM "C1206-40X70" at 15069,11175 h40 r90; SYMB_DIM "SP  40X70OV" at 15649,11165 h40 r90; SYMB_DIM "SM  48X78" at 15606,11215 h40 r90; SYMB_DIM "PAD 40X70OV" at 15499,11165 h40 r90; ASSEMBLY_BOTTOM "+" at 15465,11390 h40 r90; ASSEMBLY_BOTTOM "X" at 15465,11235 h40 r90; ASSEMBLY_BOTTOM "10%" at 15465,11275 h40 r90; ASSEMBLY_BOTTOM "10UF" at 15465,11310 h40 r90; Bottom Overlay "+" at 15425,11385 h35 r90
C142: PIN_NUMBER "1" at 15517,11305 h20 r270; PIN_NUMBER "2" at 15517,11345 h20 r270; ASSEMBLY_BOTTOM "USERPART#" at 15375,11325 h25 r270; ASSEMBLY_BOTTOM "TOLERANCE" at 15425,11325 h25 r270; ASSEMBLY_BOTTOM "0.1uF" at 15525,11325 h25 r270; SYMBOL_PART_DIM "0" at 15512,11233 h25 r270; SYMBOL_PART_DIM "0" at 15441,11317 h25 r270; SYMBOL_PART_DIM "C402-35X32" at 15387,11202 h25 r270; SYMBOL_PART_DIM "PAD 35X32 OV" at 15337,11202 h25 r270
C143: PIN_NUMBER "2" at 14162,11900 h20 r180; PIN_NUMBER "1" at 14122,11900 h20 r180; ASSEMBLY_BOTTOM "USERPART#" at 14150,12050 h25 r180; ASSEMBLY_BOTTOM "TOLERANCE" at 14150,12000 h25 r180; ASSEMBLY_BOTTOM "0.1uF" at 14150,11900 h25 r180; SYMBOL_PART_DIM "0" at 14058,11913 h25 r180; SYMBOL_PART_DIM "0" at 14142,11984 h25 r180; SYMBOL_PART_DIM "C402-35X32" at 14027,12038 h25 r180; SYMBOL_PART_DIM "PAD 35X32 OV" at 14027,12088 h25 r180
C144: PIN_NUMBER "2" at 14297,12130 h20 r270; PIN_NUMBER "1" at 14297,12090 h20 r270; ASSEMBLY_BOTTOM "USERPART#" at 14155,12110 h25 r270; ASSEMBLY_BOTTOM "TOLERANCE" at 14205,12110 h25 r270; ASSEMBLY_BOTTOM "NO POP" at 14305,12110 h25 r270; SYMBOL_PART_DIM "0" at 14292,12018 h25 r270; SYMBOL_PART_DIM "0" at 14221,12102 h25 r270; SYMBOL_PART_DIM "C402-35X32" at 14167,11987 h25 r270; SYMBOL_PART_DIM "PAD 35X32 OV" at 14117,11987 h25 r270
C145: PIN_NUMBER "2" at 14192,12130 h20 r90; PIN_NUMBER "1" at 14192,12170 h20 r90; ASSEMBLY_BOTTOM "USERPART#" at 14350,12150 h25 r90; ASSEMBLY_BOTTOM "TOLERANCE" at 14300,12150 h25 r90; ASSEMBLY_BOTTOM "0.1uF" at 14200,12150 h25 r90; SYMBOL_PART_DIM "0" at 14213,12242 h25 r90; SYMBOL_PART_DIM "0" at 14284,12158 h25 r90; SYMBOL_PART_DIM "C402-35X32" at 14338,12273 h25 r90; SYMBOL_PART_DIM "PAD 35X32 OV" at 14388,12273 h25 r90
C146: PIN_NUMBER "2" at 14597,11725 h20; PIN_NUMBER "1" at 14637,11725 h20; ASSEMBLY_BOTTOM "USERPART#" at 14625,11575 h25; ASSEMBLY_BOTTOM "TOLERANCE" at 14625,11625 h25; SYMBOL_PART_DIM "0" at 14717,11712 h25; SYMBOL_PART_DIM "0" at 14633,11641 h25; SYMBOL_PART_DIM "C402-35X32" at 14748,11587 h25; SYMBOL_PART_DIM "PAD 35X32 OV" at 14748,11537 h25
C147: PIN_NUMBER "2" at 15262,11950 h20 r180; PIN_NUMBER "1" at 15222,11950 h20 r180; ASSEMBLY_BOTTOM "USERPART#" at 15250,12100 h25 r180; ASSEMBLY_BOTTOM "TOLERANCE" at 15250,12050 h25 r180; ASSEMBLY_BOTTOM "0.1uF" at 15250,11950 h25 r180; SYMBOL_PART_DIM "0" at 15158,11963 h25 r180; SYMBOL_PART_DIM "0" at 15242,12034 h25 r180; SYMBOL_PART_DIM "C402-35X32" at 15127,12088 h25 r180; SYMBOL_PART_DIM "PAD 35X32 OV" at 15127,12138 h25 r180
C148: PIN_NUMBER "2" at 14692,12380 h20 r90; PIN_NUMBER "1" at 14692,12420 h20 r90; ASSEMBLY_BOTTOM "USERPART#" at 14850,12400 h25 r90; ASSEMBLY_BOTTOM "TOLERANCE" at 14800,12400 h25 r90; ASSEMBLY_BOTTOM "0.1uF" at 14700,12400 h25 r90; SYMBOL_PART_DIM "0" at 14713,12492 h25 r90; SYMBOL_PART_DIM "0" at 14784,12408 h25 r90; SYMBOL_PART_DIM "C402-35X32" at 14838,12523 h25 r90; SYMBOL_PART_DIM "PAD 35X32 OV" at 14888,12523 h25 r90
C149: PIN_NUMBER "2" at 14792,12420 h20 r270; PIN_NUMBER "1" at 14792,12380 h20 r270; ASSEMBLY_BOTTOM "USERPART#" at 14650,12400 h25 r270; ASSEMBLY_BOTTOM "TOLERANCE" at 14700,12400 h25 r270; SYMBOL_PART_DIM "0" at 14787,12308 h25 r270; SYMBOL_PART_DIM "0" at 14716,12392 h25 r270; SYMBOL_PART_DIM "C402-35X32" at 14662,12277 h25 r270; SYMBOL_PART_DIM "PAD 35X32 OV" at 14612,12277 h25 r270
C150: PIN_NUMBER "2" at 12909,14115 h40 r270; PIN_NUMBER "1" at 12909,14235 h40 r270; Top Overlay "+" at 12920,14300 h35 r270; ASSEMBLY_TOP "+" at 12910,14290 h40 r270; ASSEMBLY_TOP "X" at 12910,14135 h40 r270; ASSEMBLY_TOP "X" at 12910,14175 h40 r270; ASSEMBLY_TOP "10uF" at 12910,14210 h40 r270; SYMB_DIM "0" at 12900,14350 h40 r270; SYMB_DIM "0" at 12775,14200 h40 r270; SYMB_DIM "C1206-40X70" at 12954,14075 h40 r270; SYMB_DIM "SP  40X70OV" at 12374,14065 h40 r270; SYMB_DIM "SM  48X78" at 12481,14115 h40 r270; SYMB_DIM "PAD 40X70OV" at 12524,14065 h40 r270
C151: PIN_NUMBER "2" at 12742,14120 h20 r90; PIN_NUMBER "1" at 12742,14080 h20 r90; ASSEMBLY_TOP "USERPART#" at 12900,14100 h25 r90; ASSEMBLY_TOP "TOLERANCE" at 12850,14100 h25 r90; SYMBOL_PART_DIM "0" at 12763,14008 h25 r90; SYMBOL_PART_DIM "0" at 12834,14092 h25 r90; SYMBOL_PART_DIM "C402-35X32" at 12888,13977 h25 r90; SYMBOL_PART_DIM "PAD 35X32 OV" at 12938,13977 h25 r90
C152: PIN_NUMBER "2" at 12842,14205 h20 r270; PIN_NUMBER "1" at 12842,14245 h20 r270; ASSEMBLY_TOP "USERPART#" at 12700,14225 h25 r270; ASSEMBLY_TOP "TOLERANCE" at 12750,14225 h25 r270; SYMBOL_PART_DIM "0" at 12837,14317 h25 r270; SYMBOL_PART_DIM "0" at 12766,14233 h25 r270; SYMBOL_PART_DIM "C402-35X32" at 12712,14348 h25 r270; SYMBOL_PART_DIM "PAD 35X32 OV" at 12662,14348 h25 r270
C153: PIN_NUMBER "2" at 12692,14580 h20 r90; PIN_NUMBER "1" at 12692,14620 h20 r90; ASSEMBLY_BOTTOM "USERPART#" at 12850,14600 h25 r90; ASSEMBLY_BOTTOM "TOLERANCE" at 12800,14600 h25 r90; SYMBOL_PART_DIM "0" at 12713,14692 h25 r90; SYMBOL_PART_DIM "0" at 12784,14608 h25 r90; SYMBOL_PART_DIM "C402-35X32" at 12838,14723 h25 r90; SYMBOL_PART_DIM "PAD 35X32 OV" at 12888,14723 h25 r90
C154: PIN_NUMBER "2" at 12892,14605 h20 r90; PIN_NUMBER "1" at 12892,14645 h20 r90; ASSEMBLY_BOTTOM "USERPART#" at 13050,14625 h25 r90; ASSEMBLY_BOTTOM "TOLERANCE" at 13000,14625 h25 r90; SYMBOL_PART_DIM "0" at 12913,14717 h25 r90; SYMBOL_PART_DIM "0" at 12984,14633 h25 r90; SYMBOL_PART_DIM "C402-35X32" at 13038,14748 h25 r90; SYMBOL_PART_DIM "PAD 35X32 OV" at 13088,14748 h25 r90
C155: PIN_NUMBER "2" at 12634,14835 h40 r90; PIN_NUMBER "1" at 12634,14715 h40 r90; Top Overlay "+" at 12655,14650 h35 r90; ASSEMBLY_TOP "+" at 12665,14660 h40 r90; ASSEMBLY_TOP "X" at 12665,14815 h40 r90; ASSEMBLY_TOP "X" at 12665,14775 h40 r90; ASSEMBLY_TOP "10uF" at 12665,14740 h40 r90; SYMB_DIM "0" at 12675,14600 h40 r90; SYMB_DIM "0" at 12800,14750 h40 r90; SYMB_DIM "C1206-40X70" at 12269,14875 h40 r90; SYMB_DIM "SP  40X70OV" at 12849,14885 h40 r90; SYMB_DIM "SM  48X78" at 12806,14835 h40 r90; SYMB_DIM "PAD 40X70OV" at 12699,14885 h40 r90
C156: PIN_NUMBER "2" at 12842,14605 h20 r90; PIN_NUMBER "1" at 12842,14645 h20 r90; ASSEMBLY_BOTTOM "USERPART#" at 13000,14625 h25 r90; ASSEMBLY_BOTTOM "TOLERANCE" at 12950,14625 h25 r90; SYMBOL_PART_DIM "0" at 12863,14717 h25 r90; SYMBOL_PART_DIM "0" at 12934,14633 h25 r90; SYMBOL_PART_DIM "C402-35X32" at 12988,14748 h25 r90; SYMBOL_PART_DIM "PAD 35X32 OV" at 13038,14748 h25 r90
C157: PIN_NUMBER "2" at 12717,14770 h20 r90; PIN_NUMBER "1" at 12717,14730 h20 r90; ASSEMBLY_TOP "USERPART#" at 12875,14750 h25 r90; ASSEMBLY_TOP "TOLERANCE" at 12825,14750 h25 r90; SYMBOL_PART_DIM "0" at 12738,14658 h25 r90; SYMBOL_PART_DIM "0" at 12809,14742 h25 r90; SYMBOL_PART_DIM "C402-35X32" at 12863,14627 h25 r90; SYMBOL_PART_DIM "PAD 35X32 OV" at 12913,14627 h25 r90
C158: PIN_NUMBER "1" at 13542,15095 h20 r270; PIN_NUMBER "2" at 13542,15055 h20 r270; ASSEMBLY_TOP "USERPART#" at 13400,15075 h25 r270; ASSEMBLY_TOP "TOLERANCE" at 13450,15075 h25 r270; SYMBOL_PART_DIM "0" at 13537,15167 h25 r270; SYMBOL_PART_DIM "0" at 13466,15083 h25 r270; SYMBOL_PART_DIM "C402-35X32" at 13412,15198 h25 r270; SYMBOL_PART_DIM "PAD 35X32 OV" at 13362,15198 h25 r270
C159: PIN_NUMBER "2" at 12582,14370 h20 r270; PIN_NUMBER "1" at 12582,14410 h20 r270; ASSEMBLY_TOP "USERPART#" at 12440,14390 h25 r270; ASSEMBLY_TOP "TOLERANCE" at 12490,14390 h25 r270; SYMBOL_PART_DIM "0" at 12577,14482 h25 r270; SYMBOL_PART_DIM "0" at 12506,14398 h25 r270; SYMBOL_PART_DIM "C402-35X32" at 12452,14513 h25 r270; SYMBOL_PART_DIM "PAD 35X32 OV" at 12402,14513 h25 r270
C160: PIN_NUMBER "2" at 12509,14345 h20 r270; PIN_NUMBER "1" at 12509,14405 h20 r270; ASSEMBLY_TOP "X" at 12525,14330 h40 r270; ASSEMBLY_TOP "X" at 12520,14365 h40 r270; ASSEMBLY_TOP "1uF" at 12520,14400 h40 r270; SYMB_DIM "0" at 12515,14520 h40 r270; SYMB_DIM "0" at 12400,14400 h40 r270; SYMB_DIM "C603-35X45" at 12685,14530 h40 r270; SYMB_DIM "SP  35X45OV" at 12190,14540 h40 r270; SYMB_DIM "SM  43X53OV" at 12260,14540 h40 r270; SYMB_DIM "PAD 35X45OV" at 12335,14540 h40 r270
C161: PIN_NUMBER "2" at 13474,15260 h20 r270; PIN_NUMBER "1" at 13474,15200 h20 r270; SYMB_DIM "0" at 13480,15085 h40 r270; SYMB_DIM "0" at 13365,15205 h40 r270; SYMB_DIM "C603-35X45" at 13650,15075 h40 r270; SYMB_DIM "SP  35X45OV" at 13155,15065 h40 r270; SYMB_DIM "SM  43X53OV" at 13225,15065 h40 r270; SYMB_DIM "PAD 35X45OV" at 13300,15065 h40 r270; ASSEMBLY_BOTTOM "X" at 13490,15275 h40 r270; ASSEMBLY_BOTTOM "X" at 13485,15240 h40 r270; ASSEMBLY_BOTTOM "220pF" at 13485,15205 h40 r270
C162: PIN_NUMBER "2" at 12484,14515 h40 r270; PIN_NUMBER "1" at 12484,14635 h40 r270; Top Overlay "+" at 12495,14700 h35 r270; ASSEMBLY_TOP "+" at 12485,14690 h40 r270; ASSEMBLY_TOP "X" at 12485,14535 h40 r270; ASSEMBLY_TOP "X" at 12485,14575 h40 r270; ASSEMBLY_TOP "10uF" at 12485,14610 h40 r270; SYMB_DIM "0" at 12475,14750 h40 r270; SYMB_DIM "0" at 12350,14600 h40 r270; SYMB_DIM "C1206-40X70" at 12529,14475 h40 r270; SYMB_DIM "SP  40X70OV" at 11949,14465 h40 r270; SYMB_DIM "SM  48X78" at 12056,14515 h40 r270; SYMB_DIM "PAD 40X70OV" at 12099,14465 h40 r270
C163: PIN_NUMBER "2" at 12617,14555 h20 r270; PIN_NUMBER "1" at 12617,14595 h20 r270; ASSEMBLY_TOP "USERPART#" at 12475,14575 h25 r270; ASSEMBLY_TOP "TOLERANCE" at 12525,14575 h25 r270; SYMBOL_PART_DIM "0" at 12612,14667 h25 r270; SYMBOL_PART_DIM "0" at 12541,14583 h25 r270; SYMBOL_PART_DIM "C402-35X32" at 12487,14698 h25 r270; SYMBOL_PART_DIM "PAD 35X32 OV" at 12437,14698 h25 r270
C164: PIN_NUMBER "2" at 12567,14555 h20 r270; PIN_NUMBER "1" at 12567,14595 h20 r270; ASSEMBLY_TOP "USERPART#" at 12425,14575 h25 r270; ASSEMBLY_TOP "TOLERANCE" at 12475,14575 h25 r270; SYMBOL_PART_DIM "0" at 12562,14667 h25 r270; SYMBOL_PART_DIM "0" at 12491,14583 h25 r270; SYMBOL_PART_DIM "C402-35X32" at 12437,14698 h25 r270; SYMBOL_PART_DIM "PAD 35X32 OV" at 12387,14698 h25 r270